# KiCad board FrontEnd_5G.kicad_pcb (continued)
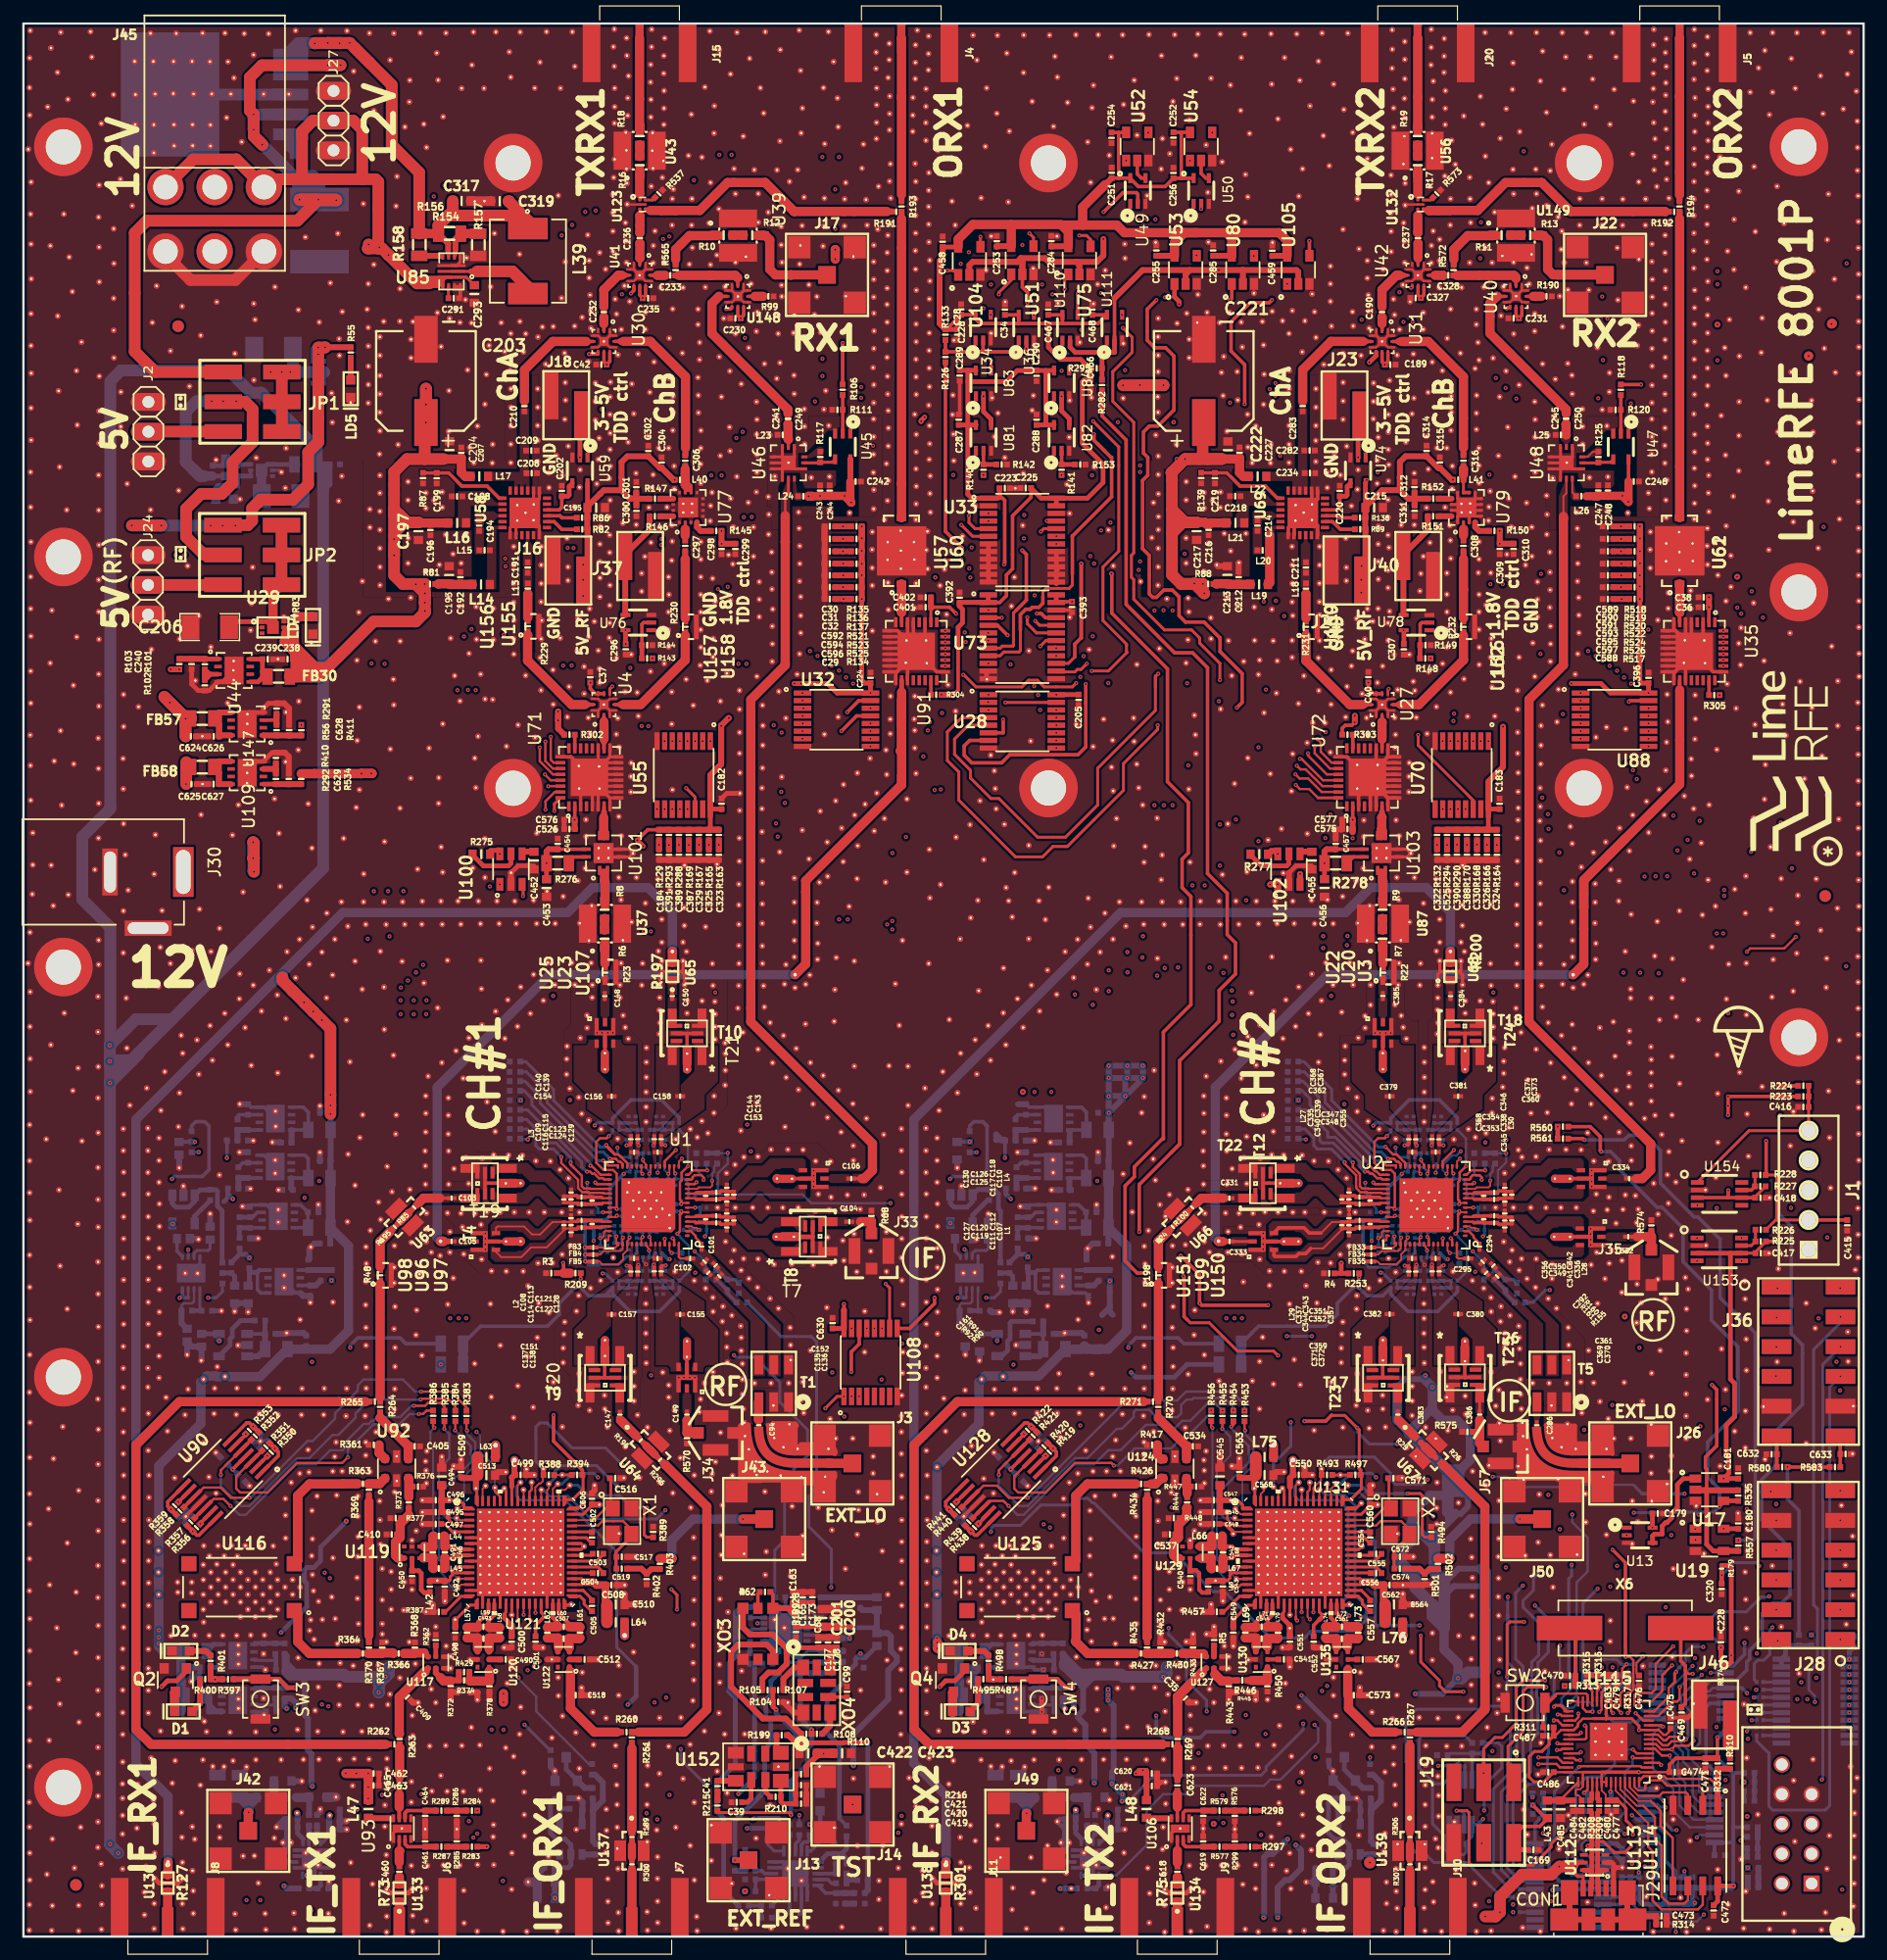
[diagram p0: board, top side]
## Placement (name value [footprint] x y rotation side) (continued)
Ref**#1657  Val**  [VIA_600_400#3]  60.69 46.21 270 top
Ref**#1658  Val**  [VIA_600_400#3]  60.65 47.77 270 top
Ref**#1659  Val**  [VIA_600_400#3]  60.37 46.61 270 top
Ref**#1660  Val**  [VIA_600_400#3]  60.41 45.05 270 top
Ref**#1661  Val**  [VIA_600_400]  62.55 40.54 180 top
Ref**#1662  Val**  [VIA_600_400]  63.52 39.69 180 top
Ref**#1663  Val**  [VIA_600_400]  61.94 41.58 180 top
Ref**#1664  Val**  [VIA_600_400#3]  60.8 47.5 270 top
Ref**#1665  Val**  [VIA_600_400#3]  60.68 44.95 270 top
Ref**#1666  Val**  [VIA_600_400#3]  60.36 45.35 270 top
Ref**#1667  Val**  [VIA_600_400#3]  60.4 43.79 270 top
Ref**#1668  Val**  [VIA_600_400]  61.39 48.89 180 top
Ref**#1669  Val**  [VIA_600_400]  47.67 70.22 0 top
Ref**#1670  Val**  [VIA_600_400]  60.05 50.31 180 top
Ref**#1671  Val**  [VIA_600_400]  51.39 77.59 0 top
Ref**#1672  Val**  [VIA_600_400]  48.12 78.61 0 top
Ref**#1673  Val**  [VIA_600_400#3]  46.84 81.53 90 top
Ref**#1674  Val**  [VIA_600_400#3]  60.36 42.52 270 top
Ref**#1675  Val**  [VIA_600_400#3]  60.41 42.22 270 top
Ref**#1676  Val**  [VIA_600_400#3]  60.61 40.52 270 top
Ref**#1677  Val**  [VIA_600_400#3]  60.57 42.08 270 top
Ref**#1678  Val**  [VIA_600_400#3]  60.33 39.36 270 top
Ref**#1679  Val**  [VIA_600_400#3]  60.49 43.29 270 top
Ref**#1680  Val**  [VIA_600_400#3]  60.61 44.59 270 top
Ref**#1681  Val**  [VIA_600_400#3]  60.56 44.89 270 top
Ref**#1682  Val**  [VIA_600_400#3]  60.6 43.33 270 top
Ref**#1683  Val**  [VIA_600_400]  60.05 51.49 180 top
Ref**#1684  Val**  [VIA_600_400]  60.11 49 180 top
Ref**#1685  Val**  [VIA_600_400]  46.38 73.58 0 top
Ref**#1686  Val**  [VIA_600_400]  46.39 74.89 0 top
Ref**#1687  Val**  [VIA_600_400#3]  60.6 46.16 270 top
Ref**#1688  Val**  [VIA_600_400#3]  60.56 47.72 270 top
Ref**#1689  Val**  [VIA_600_400#3]  60.61 47.42 270 top
Ref**#1690  Val**  [VIA_600_400#3]  60.49 46.12 270 top
Ref**#1691  Val**  [VIA_600_400#3]  60.53 44.56 270 top
Ref**#1692  Val**  [VIA_600_400]  47.42 71.62 0 top
Ref**#1693  Val**  [VIA_600_400]  61.3 50 180 top
Ref**#1694  Val**  [VIA_600_400]  48.29 85 0 top
Ref**#1695  Val**  [VIA_600_400#3]  60.8 40.18 270 top
Ref**#1696  Val**  [VIA_600_400#3]  60.76 41.74 270 top
Ref**#1697  Val**  [VIA_600_400#3]  60.82 44.53 270 top
Ref**#1698  Val**  [VIA_600_400#3]  60.86 42.97 270 top
Ref**#1699  Val**  [VIA_600_400]  56.67 78.8 0 top
Ref**#1700  Val**  [VIA_600_400]  54.3 77.03 0 top
Ref**#1701  Val**  [VIA_600_400]  56.68 79.85 0 top
Ref**#1702  Val**  [VIA_600_400]  54.35 77.98 0 top
Ref**#1703  Val**  [VIA_600_400]  54.35 81.18 0 top
Ref**#1704  Val**  [VIA_600_400#3]  60.39 42.15 270 top
Ref**#1705  Val**  [VIA_600_400#3]  60.35 43.71 270 top
Ref**#1706  Val**  [VIA_600_400#3]  60.63 44.87 270 top
Ref**#1707  Val**  [VIA_600_400#3]  60.67 43.31 270 top
Ref**#1708  Val**  [VIA_600_400#3]  60.47 45.01 270 top
Ref**#1709  Val**  [VIA_600_400#3]  60.39 44.98 270 top
Ref**#1710  Val**  [VIA_600_400#3]  60.59 46.15 270 top
Ref**#1711  Val**  [VIA_600_400#3]  46.43 78.28 90 top
Ref**#1712  Val**  [VIA_600_400#3]  60.31 44.99 270 top
Ref**#1713  Val**  [VIA_600_400]  50.94 80.13 0 top
Ref**#1714  Val**  [VIA_600_400]  58.88 48.18 180 top
Ref**#1715  Val**  [VIA_600_400]  49.65 75.39 0 top
Ref**#1716  Val**  [VIA_600_400]  56.45 81.22 0 top
Ref**#1717  Val**  [VIA_600_400]  51.21 78.61 0 top
Ref**#1718  Val**  [VIA_600_400#3]  60.78 45.81 270 top
Ref**#1719  Val**  [VIA_600_400#3]  60.68 44.58 270 top
Ref**#1720  Val**  [VIA_600_400#3]  60.72 43.02 270 top
Ref**#1721  Val**  [VIA_600_400]  56.32 83.26 0 top
Ref**#1722  Val**  [VIA_600_400]  51.65 76.62 0 top
Ref**#1723  Val**  [VIA_600_400]  54.33 80.13 0 top
Ref**#1724  Val**  [VIA_600_400#3]  60.52 46.17 270 top
Ref**#1725  Val**  [VIA_600_400#3]  60.35 46.05 270 top
Ref**#1726  Val**  [VIA_600_400]  54.3 79.06 0 top
Ref**#1727  Val**  [VIA_600_400#3]  46.49 81.07 90 top
Ref**#1728  Val**  [VIA_600_400#3]  60.49 44.92 270 top
Ref**#1729  Val**  [VIA_600_400#3]  60.53 43.36 270 top
Ref**#1730  Val**  [VIA_600_400#3]  60.33 45.06 270 top
Ref**#1731  Val**  [VIA_600_400#3]  46.42 79.47 90 top
Ref**#1732  Val**  [VIA_600_400#3]  46.92 78.69 90 top
Ref**#1733  Val**  [VIA_600_400#3]  60.32 46.63 270 top
Ref**#1734  Val**  [VIA_600_400#3]  47.36 77.3 90 top
Ref**#1735  Val**  [VIA_600_400#3]  46.45 79.8 90 top
Ref**#1736  Val**  [VIA_600_400]  53.2 75.85 0 top
Ref**#1737  Val**  [VIA_600_400]  56.66 74 0 top
Ref**#1738  Val**  [VIA_600_400#3]  60.75 41.59 270 top
Ref**#1739  Val**  [VIA_600_400]  53.19 73.34 0 top
Ref**#1740  Val**  [VIA_600_400]  53.19 74.62 0 top
Ref**#1741  Val**  [VIA_600_400#3]  60.56 41.93 270 top
Ref**#1742  Val**  [VIA_600_400]  59.07 78.73 0 top
Ref**#1743  Val**  [VIA_600_400]  57.95 79.85 0 top
Ref**#1744  Val**  [VIA_600_400]  59.06 76.56 0 top
Ref**#1745  Val**  [VIA_600_400]  59.07 77.63 0 top
Ref**#1746  Val**  [VIA_600_400]  56.62 84.06 0 top
Ref**#1747  Val**  [VIA_600_400]  50.94 81.21 0 top
Ref**#1748  Val**  [VIA_600_400]  54.51 84.85 0 top
Ref**#1749  Val**  [VIA_600_400]  56.32 84.86 0 top
Ref**#1750  Val**  [VIA_600_400]  59.04 79.79 0 top
Ref**#1751  Val**  [VIA_600_400]  46.42 75.98 180 top
Ref**#1752  Val**  [VIA_600_400]  59.94 73.92 180 top
Ref**#1753  Val**  [VIA_600_400]  59.94 75.36 180 top
Ref**#1754  Val**  [VIA_600_400]  25.16 7.14 0 top
Ref**#1755  Val**  [VIA_600_400]  25.16 6.1 0 top
Ref**#1756  Val**  [VIA_600_400]  24.11 7.15 0 top
Ref**#1757  Val**  [VIA_600_400]  24.1 6.1 0 top
Ref**#1758  Val**  [VIA_600_400]  26.09 4.71 0 top
Ref**#1759  Val**  [VIA_600_400]  25.35 10.87 0 top
Ref**#1760  Val**  [VIA_600_400]  26.69 11.91 0 top
Ref**#1761  Val**  [VIA_600_400]  27.61 9.88 0 top
Ref**#1762  Val**  [VIA_600_400]  27.61 9.13 0 top
Ref**#1763  Val**  [VIA_600_400]  23.78 13.26 0 top
Ref**#1764  Val**  [VIA_600_400]  67.88 63.36 180 top
Ref**#1765  Val**  [VIA_600_400]  67.62 61.91 180 top
Ref**#1766  Val**  [VIA_600_400#6]  67.43 58.13 270 top
Ref**#1767  Val**  [VIA_600_400#6]  73.7 57.55 270 top
Ref**#1768  Val**  [VIA_600_400]  68.8 62.02 270 top
Ref**#1769  Val**  [VIA_600_400]  70.15 62.05 270 top
Ref**#1770  Val**  [VIA_600_400#4]  68.66 60.47 180 top
Ref**#1771  Val**  [VIA_600_400#4]  66.16 63.01 180 top
Ref**#1772  Val**  [VIA_600_400]  67.65 66.18 180 top
Ref**#1773  Val**  [VIA_600_400#4]  68.97 58.25 180 top
Ref**#1774  Val**  [VIA_600_400]  71.16 56.73 270 top
Ref**#1775  Val**  [VIA_600_400#6]  69.97 60.2 270 top
Ref**#1776  Val**  [VIA_600_400]  72.35 58.49 270 top
Ref**#1777  Val**  [VIA_600_400]  75.35 108.71 270 top
Ref**#1778  Val**  [VIA_600_400#4]  70.06 58.49 180 top
Ref**#1779  Val**  [VIA_600_400]  66.57 67.14 180 top
Ref**#1780  Val**  [VIA_600_400]  77.08 110.61 180 top
Ref**#1781  Val**  [VIA_600_400]  49.66 50.9 180 top
Ref**#1782  Val**  [VIA_600_400]  75.4 110.61 270 top
Ref**#1783  Val**  [VIA_600_400]  53.15 51.48 270 top
Ref**#1784  Val**  [VIA_600_400]  56.66 50.81 270 top
Ref**#1785  Val**  [VIA_600_400]  75 59.56 270 top
Ref**#1786  Val**  [VIA_600_400]  71.84 53.36 180 top
Ref**#1787  Val**  [VIA_600_400]  68.96 63.1 180 top
Ref**#1788  Val**  [VIA_600_400]  70.36 63.29 180 top
Ref**#1789  Val**  [VIA_600_400]  77.14 108.67 270 top
Ref**#1790  Val**  [VIA_600_400]  70.93 59.97 270 top
Ref**#1791  Val**  [VIA_600_400]  71.79 63.3 270 top
Ref**#1792  Val**  [VIA_600_400]  73.69 60.14 270 top
Ref**#1793  Val**  [VIA_600_400]  74.97 67.07 180 top
Ref**#1794  Val**  [VIA_600_400]  68.93 66.15 180 top
Ref**#1795  Val**  [VIA_600_400]  49.66 49.55 180 top
Ref**#1796  Val**  [VIA_600_400]  52.14 46.96 270 top
Ref**#1797  Val**  [VIA_600_400]  47.4 46.62 180 top
Ref**#1798  Val**  [VIA_600_400]  47.37 45.33 180 top
Ref**#1799  Val**  [VIA_600_400]  54.59 48.15 180 top
Ref**#1800  Val**  [VIA_600_400]  47.45 48.04 180 top
Ref**#1801  Val**  [VIA_600_400]  52.14 48.2 270 top
Ref**#1802  Val**  [VIA_600_400]  55.1 47.06 270 top
Ref**#1803  Val**  [VIA_600_400]  57.72 44.77 180 top
Ref**#1804  Val**  [VIA_600_400]  55.1 46.02 180 top
Ref**#1805  Val**  [VIA_600_400]  49.62 46.19 180 top
Ref**#1806  Val**  [VIA_600_400]  55.6 44.93 180 top
Ref**#1807  Val**  [VIA_600_400]  53.18 48.94 270 top
Ref**#1808  Val**  [VIA_600_400]  58.16 47.24 270 top
Ref**#1809  Val**  [VIA_600_400]  65.51 50.48 180 top
Ref**#1810  Val**  [VIA_600_400]  59.55 46.65 180 top
Ref**#1811  Val**  [VIA_600_400]  57.82 45.86 270 top
Ref**#1812  Val**  [VIA_600_400]  53.16 50.28 180 top
Ref**#1813  Val**  [VIA_600_400]  55.19 43.18 180 top
Ref**#1814  Val**  [VIA_600_400]  46.09 50.22 180 top
Ref**#1815  Val**  [VIA_600_400]  46.14 51.4 180 top
Ref**#1816  Val**  [VIA_600_400]  46.09 48.98 270 top
Ref**#1817  Val**  [VIA_600_400]  42.22 46.99 180 top
Ref**#1818  Val**  [VIA_600_400]  59.1 40.51 270 top
Ref**#1819  Val**  [VIA_600_400]  51.39 41.79 180 top
Ref**#1820  Val**  [VIA_600_400]  59.53 43.01 180 top
Ref**#1821  Val**  [VIA_600_400]  56.1 40.85 270 top
Ref**#1822  Val**  [VIA_600_400]  65.51 49.2 270 top
Ref**#1823  Val**  [VIA_600_400]  65.47 51.97 180 top
Ref**#1824  Val**  [VIA_600_400]  58.81 39.47 270 top
Ref**#1825  Val**  [VIA_600_400]  45.26 47.32 270 top
Ref**#1826  Val**  [VIA_600_400]  74.97 68.94 0 top
Ref**#1827  Val**  [VIA_600_400]  75 61.42 0 top
Ref**#1828  Val**  [VIA_600_400]  75 63.34 0 top
Ref**#1829  Val**  [VIA_600_400]  70.83 71.07 0 top
Ref**#1830  Val**  [VIA_600_400]  73.48 61.68 0 top
Ref**#1831  Val**  [VIA_600_400]  69.59 72.22 0 top
Ref**#1832  Val**  [VIA_600_400]  75.54 70.93 0 top
Ref**#1833  Val**  [VIA_600_400]  75 65.23 0 top
Ref**#1834  Val**  [VIA_600_400]  73.19 63.91 0 top
Ref**#1835  Val**  [VIA_600_400]  70.87 66.23 0 top
Ref**#1836  Val**  [VIA_600_400]  70.86 67.49 0 top
Ref**#1837  Val**  [VIA_600_400]  71.99 69.82 0 top
Ref**#1838  Val**  [VIA_600_400]  73.46 68.44 0 top
Ref**#1839  Val**  [VIA_600_400]  51.92 86.58 0 top
Ref**#1840  Val**  [VIA_600_400]  51.03 88.48 0 top
Ref**#1841  Val**  [VIA_600_400]  51.19 85.03 0 top
Ref**#1842  Val**  [VIA_600_400]  52.35 90.38 0 top
Ref**#1843  Val**  [VIA_600_400]  50.84 95.58 0 top
Ref**#1844  Val**  [VIA_600_400]  51.04 83.07 0 top
Ref**#1845  Val**  [VIA_600_400]  49.57 105.14 0 top
Ref**#1846  Val**  [VIA_600_400]  18.35 24.87 0 top
Ref**#1847  Val**  [VIA_600_400]  18.35 24.09 0 top
Ref**#1848  Val**  [VIA_600_400]  18.36 23.25 0 top
Ref**#1849  Val**  [VIA_600_400]  18.35 21.07 0 top
Ref**#1850  Val**  [VIA_600_400]  18.36 20.27 0 top
Ref**#1851  Val**  [VIA_600_400]  18.36 19.47 0 top
Ref**#1852  Val**  [VIA_600_400]  20.51 24.13 0 top
Ref**#1853  Val**  [VIA_600_400]  28.54 39.71 0 top
Ref**#1854  Val**  [VIA_600_400]  23.6 39.52 0 top
Ref**#1855  Val**  [VIA_600_400]  22.87 38.75 0 top
Ref**#1856  Val**  [VIA_600_400]  22.37 37.37 0 top
Ref**#1857  Val**  [VIA_600_400]  22.38 35.95 0 top
Ref**#1858  Val**  [VIA_600_400]  31.69 37.93 0 top
Ref**#1859  Val**  [VIA_600_400]  49.64 45.03 0 top
Ref**#1860  Val**  [VIA_600_400]  52.62 39.15 0 top
Ref**#1861  Val**  [VIA_600_400]  9.75 13 0 top
Ref**#1862  Val**  [VIA_600_400]  12.71 13.09 0 top
Ref**#1863  Val**  [VIA_600_400]  25.32 66.92 0 top
Ref**#1864  Val**  [VIA_600_400]  25.32 70.89 0 top
Ref**#1865  Val**  [VIA_600_400]  21.25 67.79 0 top
Ref**#1866  Val**  [VIA_600_400]  19.63 67.92 0 top
Ref**#1867  Val**  [VIA_600_400]  18.47 71.05 0 top
Ref**#1868  Val**  [VIA_600_400]  18.45 66.93 0 top
Ref**#1869  Val**  [VIA_600_400]  19.4 63.82 0 top
Ref**#1870  Val**  [VIA_600_400]  21.78 63.72 0 top
Ref**#1871  Val**  [VIA_600_400]  25.18 62.47 0 top
Ref**#1872  Val**  [VIA_600_400]  18.7 62.31 0 top
Ref**#1873  Val**  [VIA_600_400]  24.54 58.85 0 top
Ref**#1874  Val**  [VIA_600_400]  20.05 59.58 0 top
Ref**#1875  Val**  [VIA_600_400]  24.5 54.1 0 top
Ref**#1876  Val**  [VIA_600_400]  13.3 65.6 0 top
Ref**#1877  Val**  [VIA_600_400]  37.6 58.24 90 top
Ref**#1878  Val**  [VIA_600_400]  16.91 53.4 0 top
Ref**#1879  Val**  [VIA_600_400]  18.04 53.34 0 top
Ref**#1880  Val**  [VIA_600_400]  19.19 53.29 0 top
Ref**#1881  Val**  [VIA_600_400]  14.95 59.5 0 top
Ref**#1882  Val**  [VIA_600_400]  15.95 61.69 0 top
Ref**#1883  Val**  [VIA_600_400]  13.66 64.05 0 top
Ref**#1884  Val**  [VIA_600_400]  13.98 49.65 0 top
Ref**#1885  Val**  [VIA_600_400]  15.18 49.15 0 top
Ref**#1886  Val**  [VIA_600_400]  16.55 48.63 0 top
Ref**#1887  Val**  [VIA_600_400]  18.32 50.46 0 top
Ref**#1888  Val**  [VIA_600_400]  22.48 51.51 0 top
Ref**#1889  Val**  [VIA_600_400]  23.63 52.64 0 top
Ref**#1890  Val**  [VIA_600_400]  41.64 90.79 0 top
Ref**#1891  Val**  [VIA_600_400]  61.15 102.76 0 top
Ref**#1892  Val**  [VIA_600_400]  34.3 67.04 0 top
Ref**#1893  Val**  [VIA_600_400]  43.83 94.16 0 top
Ref**#1894  Val**  [VIA_600_400]  15.28 102.43 0 top
Ref**#1895  Val**  [VIA_600_400]  47.55 76.69 0 top
Ref**#1896  Val**  [VIA_600_400]  36.77 65.53 0 top
Ref**#1897  Val**  [VIA_600_400]  68.89 44.18 180 top
Ref**#1898  Val**  [VIA_600_400]  40.29 68.7 0 top
Ref**#1899  Val**  [VIA_600_400]  31.47 63.56 0 top
Ref**#1900  Val**  [VIA_600_400]  28.32 64.11 0 top
Ref**#1901  Val**  [VIA_600_400]  17.45 76.1 0 top
Ref**#1902  Val**  [VIA_600_400]  12.91 39.14 0 top
Ref**#1903  Val**  [VIA_600_400]  153.46 85.88 0 top
Ref**#1904  Val**  [VIA_600_400]  144.6 101.3 0 top
Ref**#1905  Val**  [VIA_600_400]  150.5 102.51 0 top
Ref**#1906  Val**  [VIA_600_400]  153.09 90.26 0 top
Ref**#1907  Val**  [VIA_600_400]  152.08 98.81 0 top
Ref**#1908  Val**  [VIA_600_400]  43.09 55.54 0 top
Ref**#1909  Val**  [VIA_600_400]  153 51.92 0 top
Ref**#1910  Val**  [VIA_600_400]  152.23 54.05 0 top
Ref**#1911  Val**  [VIA_600_400]  100.8 70.26 0 top
Ref**#1912  Val**  [VIA_600_400]  103.21 65.53 0 top
Ref**#1913  Val**  [VIA_600_400]  103.99 73.24 0 top
Ref**#1914  Val**  [VIA_600_400]  93.91 65.08 0 top
Ref**#1915  Val**  [VIA_600_400]  101 73.42 0 top
Ref**#1916  Val**  [VIA_600_400]  92.98 58.02 0 top
Ref**#1917  Val**  [VIA_600_400]  102.75 67.04 0 top
Ref**#1918  Val**  [VIA_600_400]  18.93 77.57 0 top
Ref**#1919  Val**  [VIA_600_400]  21.71 73.7 0 top
Ref**#1920  Val**  [VIA_600_400]  20.33 78.98 0 top
Ref**#1921  Val**  [VIA_600_400]  80.96 41.87 0 top
Ref**#1922  Val**  [VIA_600_400]  82.83 37.83 0 top
Ref**#1923  Val**  [VIA_600_400]  82 39.08 0 top
Ref**#1924  Val**  [VIA_600_400]  90.71 41.48 0 top
Ref**#1925  Val**  [VIA_600_400]  88.54 42.61 0 top
Ref**#1926  Val**  [VIA_600_400]  106.74 47.15 0 top
Ref**#1927  Val**  [VIA_600_400]  130.48 45.32 0 top
Ref**#1928  Val**  [VIA_600_400]  113.84 46.62 0 top
Ref**#1929  Val**  [VIA_600_400]  100.84 49.64 0 top
Ref**#1930  Val**  [VIA_600_400]  122.04 44.93 0 top
Ref**#1931  Val**  [VIA_600_400]  130.55 42.55 0 top
Ref**#1932  Val**  [VIA_600_400]  119.06 39.15 0 top
Ref**#1933  Val**  [VIA_600_400]  120.71 38.75 0 top
Ref**#1934  Val**  [VIA_600_400]  120.67 36.58 0 top
Ref**#1935  Val**  [VIA_600_400]  120.68 35.21 0 top
Ref**#1936  Val**  [VIA_600_400]  123.74 39.71 0 top
Ref**#1937  Val**  [VIA_600_400]  128.23 32.51 0 top
Ref**#1938  Val**  [VIA_600_400]  120.31 25.9 0 top
Ref**#1939  Val**  [VIA_600_400]  120.31 23.59 0 top
Ref**#1940  Val**  [VIA_600_400]  122.56 25.67 0 top
Ref**#1941  Val**  [VIA_600_400]  135.33 44.19 0 top
Ref**#1942  Val**  [VIA_600_400]  142.02 51.7 0 top
Ref**#1943  Val**  [VIA_600_400]  137.75 52.39 0 top
Ref**#1944  Val**  [VIA_600_400]  134.42 54.03 0 top
Ref**#1945  Val**  [VIA_600_400]  134.9 39.24 0 top
Ref**#1946  Val**  [VIA_600_400]  120.21 30.05 0 top
Ref**#1947  Val**  [VIA_600_400]  48.53 87.96 0 top
Ref**#1948  Val**  [VIA_600_400]  47.51 86.48 0 top
Ref**#1949  Val**  [VIA_600_400]  48.03 95.32 0 top
Ref**#1950  Val**  [VIA_600_400]  61.09 84.57 0 top
Ref**#1951  Val**  [VIA_600_400]  111.88 94.48 0 top
Ref**#1952  Val**  [VIA_600_400]  109.62 101.88 0 top
Ref**#1953  Val**  [VIA_600_400]  132.43 75.79 0 top
Ref**#1954  Val**  [VIA_600_400]  134.61 77.56 0 top
Ref**#1955  Val**  [VIA_600_400]  132.62 72.27 0 top
Ref**#1956  Val**  [VIA_600_400]  128.73 70.27 0 top
Ref**#1957  Val**  [VIA_600_400]  135.09 69.9 0 top
Ref**#1958  Val**  [VIA_600_400]  126.83 69.04 0 top
Ref**#1959  Val**  [VIA_600_400]  134.25 83.39 0 top
Ref**#1960  Val**  [VIA_600_400]  132.27 83.6 0 top
Ref**#1961  Val**  [VIA_600_400]  132.33 80.97 0 top
Ref**#1962  Val**  [VIA_600_400]  133.64 74.58 0 top
Ref**#1963  Val**  [VIA_600_400]  134.74 73.48 0 top
Ref**#1964  Val**  [VIA_600_400]  131.57 73.32 0 top
Ref**#1965  Val**  [VIA_600_400]  136.26 68.65 0 top
Ref**#1966  Val**  [VIA_600_400]  136.01 72.22 0 top
Ref**#1967  Val**  [VIA_600_400]  133.86 71.05 0 top
Ref**#1968  Val**  [VIA_600_400]  127.52 86.38 0 top
Ref**#1969  Val**  [VIA_600_400]  127.52 84.57 0 top
Ref**#1970  Val**  [VIA_600_400]  129.55 83.04 0 top
Ref**#1971  Val**  [VIA_600_400]  127.53 83.04 0 top
Ref**#1972  Val**  [VIA_600_400]  132.19 71.06 0 top
Ref**#1973  Val**  [VIA_600_400]  129.35 71.74 0 top
Ref**#1974  Val**  [VIA_600_400]  127.88 77.16 0 top
Ref**#1975  Val**  [VIA_600_400]  129.17 75.72 0 top
Ref**#1976  Val**  [VIA_600_400]  127.45 79.23 0 top
Ref**#1977  Val**  [VIA_600_400]  131.34 76.89 0 top
Ref**#1978  Val**  [VIA_600_400]  129.71 79.33 0 top
Ref**#1979  Val**  [VIA_600_400]  132.27 86.61 0 top
Ref**#1980  Val**  [VIA_600_400]  129.52 84.54 0 top
Ref**#1981  Val**  [VIA_600_400]  129.52 86.47 0 top
Ref**#1982  Val**  [VIA_600_400]  122.87 86.28 0 top
Ref**#1983  Val**  [VIA_600_400]  122.85 88.03 0 top
Ref**#1984  Val**  [VIA_600_400]  135.91 75.13 0 top
Ref**#1985  Val**  [VIA_600_400]  125.32 81.16 0 top
Ref**#1986  Val**  [VIA_600_400]  129.52 88.12 0 top
Ref**#1987  Val**  [VIA_600_400]  127.52 88.04 0 top
Ref**#1988  Val**  [VIA_600_400]  132.27 85.01 0 top
Ref**#1989  Val**  [VIA_600_400]  132.27 88.27 0 top
Ref**#1990  Val**  [VIA_600_400]  130.12 70.32 0 top
Ref**#1991  Val**  [VIA_600_400]  125.15 40.21 0 top
Ref**#1992  Val**  [VIA_600_400]  128.1 38.98 0 top
Ref**#1993  Val**  [VIA_600_400]  120.61 42.5 0 top
Ref**#1994  Val**  [VIA_600_400]  128.38 41.58 0 top
Ref**#1995  Val**  [VIA_600_400]  131.04 39.05 0 top
Ref**#1996  Val**  [VIA_600_400]  128.05 42.71 0 top
Ref**#1997  Val**  [VIA_600_400]  120.84 12.03 0 top
Ref**#1998  Val**  [VIA_600_400]  120.84 10.27 0 top
Ref**#1999  Val**  [VIA_600_400]  114.03 8.64 0 top
Ref**#2000  Val**  [VIA_600_400]  122.32 5.68 0 top
Ref**#2001  Val**  [VIA_600_400]  116.26 8.81 0 top
Ref**#2002  Val**  [VIA_600_400]  116.26 14.04 0 top
Ref**#2003  Val**  [VIA_600_400]  116.39 4.64 0 top
Ref**#2004  Val**  [VIA_600_400]  116.17 7.26 0 top
Ref**#2005  Val**  [VIA_600_400]  116.4 2.82 0 top
Ref**#2006  Val**  [VIA_600_400]  116.14 0.51 0 top
Ref**#2007  Val**  [VIA_600_400]  49.73 7.18 0 top
Ref**#2008  Val**  [VIA_600_400]  49.77 10.86 0 top
Ref**#2009  Val**  [VIA_600_400]  49.79 9.06 0 top
Ref**#2010  Val**  [VIA_600_400]  49.91 2.99 0 top
Ref**#2011  Val**  [VIA_600_400]  49.9 4.92 0 top
Ref**#2012  Val**  [VIA_600_400]  49.92 1.17 0 top
Ref**#2013  Val**  [VIA_600_400]  120.35 4.68 0 top
Ref**#2014  Val**  [VIA_600_400]  120.57 8.35 0 top
Ref**#2015  Val**  [VIA_600_400]  120.81 7.58 0 top
Ref**#2016  Val**  [VIA_600_400]  121.09 0.44 0 top
Ref**#2017  Val**  [VIA_600_400]  120.41 2.96 0 top
Ref**#2018  Val**  [VIA_600_400]  123.92 4.56 0 top
Ref**#2019  Val**  [VIA_600_400]  120.78 13.68 0 top
Ref**#2020  Val**  [VIA_600_400]  80.77 5.89 0 top
Ref**#2021  Val**  [VIA_600_400]  80.86 9.49 0 top
Ref**#2022  Val**  [VIA_600_400]  81.34 2.42 0 top
Ref**#2023  Val**  [VIA_600_400]  80.84 3.78 0 top
Ref**#2024  Val**  [VIA_600_400]  14.44 5.62 0 top
Ref**#2025  Val**  [VIA_600_400]  14.42 9.37 0 top
Ref**#2026  Val**  [VIA_600_400]  14.63 8.31 0 top
Ref**#2027  Val**  [VIA_600_400]  14.51 1.97 0 top
Ref**#2028  Val**  [VIA_600_400]  14.5 3.9 0 top
Ref**#2029  Val**  [VIA_600_400]  54.15 6.8 0 top
Ref**#2030  Val**  [VIA_600_400]  54.08 9.09 0 top
Ref**#2031  Val**  [VIA_600_400]  55.97 5.78 0 top
Ref**#2032  Val**  [VIA_600_400]  54.15 3.01 0 top
Ref**#2033  Val**  [VIA_600_400]  54.14 4.94 0 top
Ref**#2034  Val**  [VIA_600_400]  54.16 1.19 0 top
Ref**#2035  Val**  [VIA_600_400]  76.22 11.1 0 top
Ref**#2036  Val**  [VIA_600_400]  81.28 8.17 0 top
Ref**#2037  Val**  [VIA_600_400]  76.78 3.69 0 top
Ref**#2038  Val**  [VIA_600_400]  76.77 5.62 0 top
Ref**#2039  Val**  [VIA_600_400]  76.18 3.03 0 top
Ref**#2040  Val**  [VIA_600_400]  10.46 5.98 0 top
Ref**#2041  Val**  [VIA_600_400]  10.17 10.98 0 top
Ref**#2042  Val**  [VIA_600_400]  9.69 9.25 0 top
Ref**#2043  Val**  [VIA_600_400]  10.34 1.85 0 top
Ref**#2044  Val**  [VIA_600_400]  10.33 3.78 0 top
Ref**#2045  Val**  [VIA_600_400]  73.05 3.17 0 top
Ref**#2046  Val**  [VIA_600_400]  54.31 13.91 0 top
Ref**#2047  Val**  [VIA_600_400]  57.29 4.82 0 top
Ref**#2048  Val**  [VIA_600_400]  156.32 4.53 90 top
Ref**#2049  Val**  [VIA_600_400]  71.19 34.31 90 top
Ref**#2050  Val**  [VIA_600_400]  63.31 37.97 90 top
Ref**#2051  Val**  [VIA_600_400]  75.02 56 90 top
Ref**#2052  Val**  [VIA_600_400]  74.99 57.93 90 top
Ref**#2053  Val**  [VIA_600_400]  91.24 48.02 90 top
Ref**#2054  Val**  [VIA_600_400]  88.43 48.05 90 top
Ref**#2055  Val**  [VIA_600_400]  100.79 68.66 90 top
Ref**#2056  Val**  [VIA_600_400]  99.46 47.99 90 top
Ref**#2057  Val**  [VIA_600_400]  102.1 47.41 90 top
Ref**#2058  Val**  [VIA_600_400]  88.23 80.4 0 top
Ref**#2059  Val**  [VIA_600_400]  6.39 68.6 0 top
Ref**#2060  Val**  [VIA_600_400]  154.92 103.33 0 top
Ref**#2061  Val**  [VIA_600_400]  6.37 65.63 0 top
Ref**#2062  Val**  [VIA_600_400]  10.53 72.41 0 top
Ref**#2063  Val**  [VIA_600_400]  149.22 87.66 0 top
Ref**#2064  Val**  [VIA_600_400]  154.89 87.76 0 top
Ref**#2065  Val**  [VIA_600_400]  148.75 100.01 0 top
Ref**#2066  Val**  [VIA_600_400]  153.58 100.75 0 top
Ref**#2067  Val**  [VIA_600_400]  101.07 0.86 0 top
Ref**#2068  Val**  [VIA_600_400]  100.76 3.81 0 top
Ref**#2069  Val**  [VIA_600_400]  96.13 1.18 0 top
Ref**#2070  Val**  [VIA_600_400]  96.17 3.69 0 top
Ref**#2071  Val**  [VIA_600_400]  96.01 5.85 0 top
Ref**#2072  Val**  [VIA_600_400]  93.98 7.15 0 top
Ref**#2073  Val**  [VIA_600_400]  84.49 4.15 0 top
Ref**#2074  Val**  [VIA_600_400]  132.27 90.04 0 top
Ref**#2075  Val**  [VIA_600_400]  152.72 104.88 0 top
Ref**#2076  Val**  [VIA_600_400]  88.7 55.48 0 top
Ref**#2077  Val**  [VIA_600_400]  80.26 56.62 0 top
Ref**#2078  Val**  [VIA_600_400]  88.2 60.98 0 top
Ref**#2079  Val**  [VIA_600_400]  87.91 66.28 0 top
Ref**#2080  Val**  [VIA_600_400]  87.93 65.2 0 top
Ref**#2081  Val**  [VIA_600_400]  88.21 62.02 0 top
Ref**#2082  Val**  [VIA_600_400]  88.7 56.35 0 top
Ref**#2083  Val**  [VIA_600_400]  81.23 56.66 0 top
Ref**#2084  Val**  [VIA_600_400]  22.26 55.37 0 top
Ref**#2085  Val**  [VIA_600_400]  22.26 56.43 0 top
Ref**#2086  Val**  [VIA_600_400]  13.81 56.61 0 top
Ref**#2087  Val**  [VIA_600_400]  14.87 56.6 0 top
Ref**#2088  Val**  [VIA_600_400]  21.76 60.97 0 top
Ref**#2089  Val**  [VIA_600_400]  21.76 62.04 0 top
Ref**#2090  Val**  [VIA_600_400]  21.52 70.44 0 top
Ref**#2091  Val**  [VIA_600_400]  21.54 69.14 0 top
Ref**#2092  Val**  [VIA_600_400]  21.5 65.14 0 top
Ref**#2093  Val**  [VIA_600_400]  21.5 66.26 0 top
Ref**#2094  Val**  [VIA_600_400]  29.81 4.48 0 top
Ref**#2095  Val**  [VIA_600_400]  29.57 0.95 0 top
Ref**#2096  Val**  [VIA_600_400]  34.4 4.11 0 top
Ref**#2097  Val**  [VIA_600_400]  34.41 1.34 0 top
Ref**#2098  Val**  [VIA_600_400]  83.43 6.75 0 top
Ref**#2099  Val**  [VIA_600_400]  67.87 36.61 0 top
Ref**#2100  Val**  [VIA_600_400]  62.6 39.39 0 top
Ref**#2101  Val**  [VIA_600_400]  68.45 39.24 0 top
Ref**#2102  Val**  [VIA_600_400]  64.04 45.32 0 top
Ref**#2103  Val**  [VIA_600_400]  69.36 42.51 0 top
Ref**#2104  Val**  [VIA_600_400]  87.45 53.81 0 top
Ref**#2105  Val**  [VIA_600_400]  112.67 43.45 0 top
Ref**#2106  Val**  [VIA_600_400]  88.05 17.47 0 top
Ref**#2107  Val**  [VIA_600_400]  59.92 76.26 0 top
Ref**#2108  Val**  [VIA_600_400]  32.31 9.23 0 top
Ref**#2109  Val**  [VIA_600_400]  31.04 14.32 0 top
Ref**#2110  Val**  [VIA_600_400#8]  25.13 19.5 0 top
Ref**#2111  Val**  [VIA_600_400#8]  27.29 19.47 0 top
Ref**#2112  Val**  [VIA_600_400#8]  28.9 19.5 0 top
Ref**#2113  Val**  [VIA_600_400#8]  30.48 19.49 0 top
Ref**#2114  Val**  [VIA_600_400#8]  33.14 15.22 0 top
Ref**#2115  Val**  [VIA_600_400#2]  41.21 60.12 0 top
Ref**#2116  Val**  [VIA_600_400#2]  41.19 65.08 0 top
Ref**#2117  Val**  [VIA_600_400]  56.65 49.47 270 top
Ref**#2118  Val**  [VIA_600_400]  56.67 75.35 0 top
Ref**#2119  Val**  [VIA_600_400]  52.14 45.71 270 top
Ref**#2120  Val**  [VIA_600_400]  49.86 43.48 0 top
Ref**#2121  Val**  [VIA_600_400]  53.29 43.46 0 top
Ref**#2122  Val**  [VIA_600_400]  52.44 44.51 0 top
Ref**#2123  Val**  [VIA_600_400]  85.42 162.28 0 top
Ref**#2124  Val**  [VIA_600_400]  83.17 162.25 0 top
Ref**#2125  Val**  [VIA_600_400]  81.09 162.26 0 top
Ref**#2126  Val**  [VIA_600_400]  89.87 162.3 0 top
Ref**#2127  Val**  [VIA_600_400]  87.62 162.27 0 top
Ref**#2128  Val**  [VIA_600_400]  154.06 97.42 0 top